# EAGLE board Mk4 Final Panel 8up 2x4 (EAGLE 9.0.1), part 19 of 23 (continued)
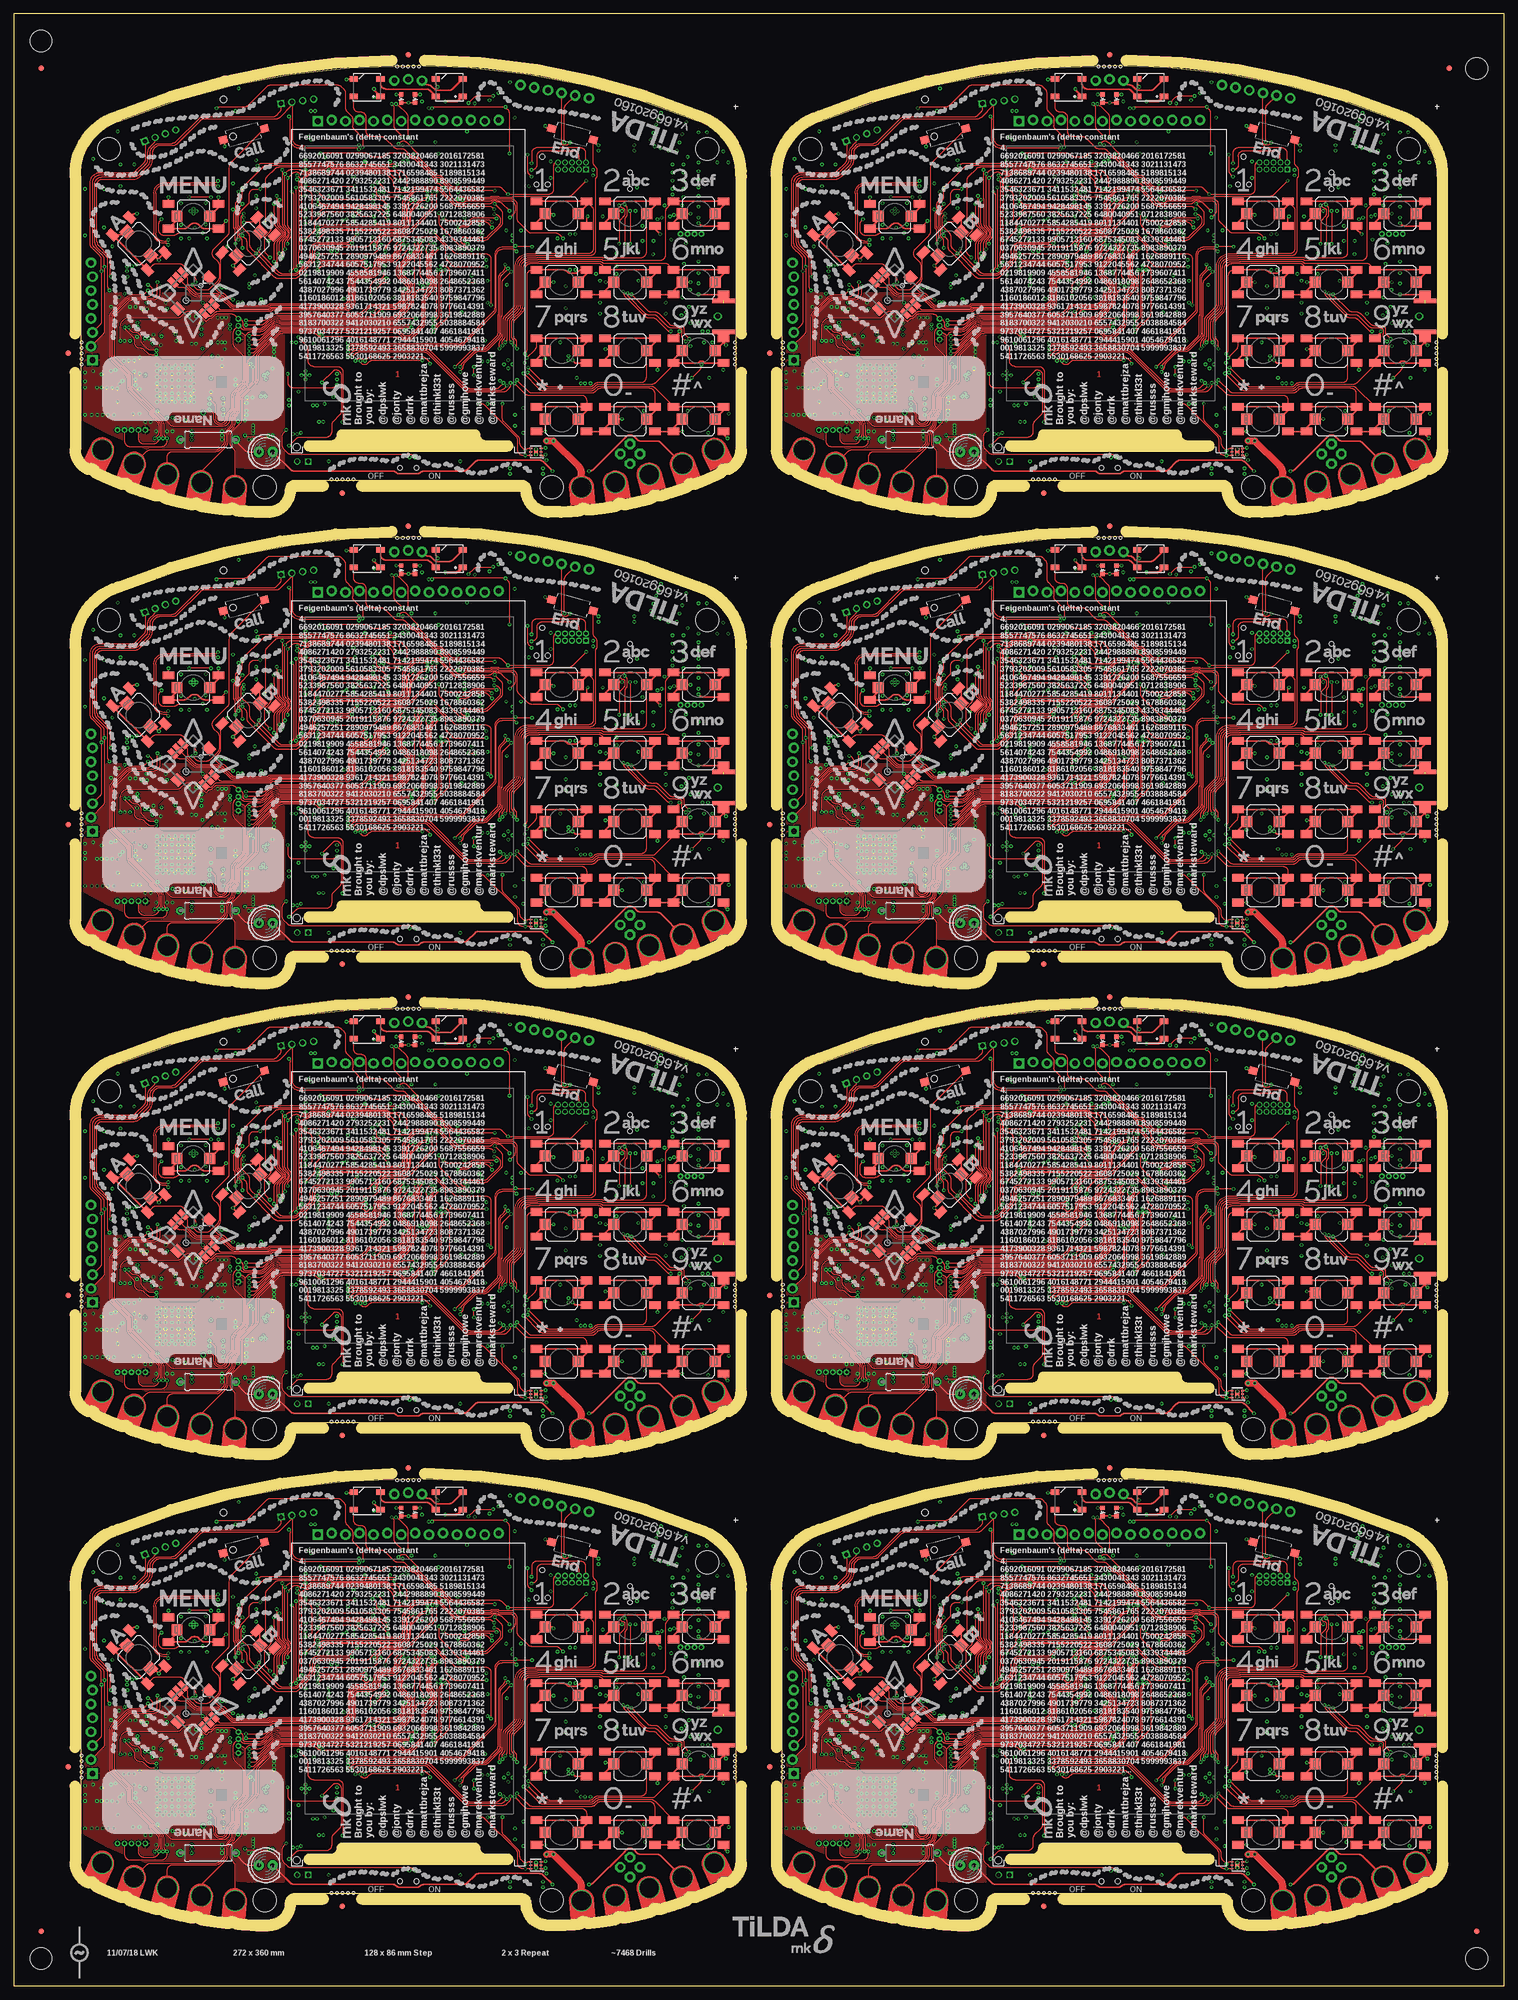
[diagram p0: board, top side]
## Tracks (layer width: path | path; a pad name or v marks a point on that pad's centre or on a via) (continued)
SPK_P4  (via drill 0.3)
  Top 0.2: v61,213.1 61.23,213.32 81.36,213.32 arc45 82.06,213.62 87.81,219.36 arc45 88.1,220.07 88.1,229.93 arc-90 89.17,230.99 91.16,230.99 arc-45 91.51,230.84 v91.75,230.61 | v37.3,243.45 arc-45 36.64,243.18 27.5,243.18 arc90 25.58,241.25 25.58,233.95 arc90 27.45,232.07 27.72,232.07 arc-45 28.07,231.93 v28.2,231.8
  Bottom 0.2: IC75.11 102.55,229.95 C493.1 | C493.1 C489.1 | C494.1 C493.1 | C491.1 C489.1 | C489.1 101.17,230.32 96.32,230.32 arc-45 96.25,230.35 96.16,230.45 arc45 96.09,230.47 93.78,230.47 R360.1 93.11,229.86 arc-90 92.4,229.86 91.75,230.51 v91.75,230.61 | v61,213.1 60.77,213.32 60.14,213.32 arc-45 59.44,213.62 57.02,216.03 arc45 56.8,216.12 56.54,216.12 arc-45 55.84,216.42 52.52,219.73 arc45 51.81,220.03 45.24,220.03 arc-45 44.53,220.32 41.52,223.34 arc-45 41.23,224.04 41.23,224.7 arc90 39.9,226.03 37.14,226.03 arc-45 36.44,226.32 34.22,228.53 arc45 33.51,228.82 30.4,228.82 arc-90 29.33,229.9 29.33,231.6 arc90 28.85,232.07 28.68,232.07 arc45 28.33,231.93 v28.2,231.8 | C508.2 v37.3,243.45
SPK_P5  (via drill 0.3)
  Top 0.2: v189,213.1 189.22,213.32 209.36,213.32 arc45 210.06,213.62 215.81,219.36 arc45 216.1,220.07 216.1,229.93 arc-90 217.17,230.99 219.16,230.99 arc-45 219.51,230.84 v219.75,230.61 | v165.3,243.45 arc-45 164.64,243.18 155.5,243.18 arc90 153.57,241.25 153.57,233.95 arc90 155.45,232.07 155.72,232.07 arc-45 156.07,231.93 v156.2,231.8
  Bottom 0.2: IC93.11 230.55,229.95 C601.1 | C601.1 C597.1 | C602.1 C601.1 | C599.1 C597.1 | C597.1 229.18,230.32 224.32,230.32 arc-45 224.25,230.35 224.16,230.45 arc45 224.09,230.47 221.78,230.47 R438.1 221.11,229.86 arc-90 220.4,229.86 219.75,230.51 v219.75,230.61 | v189,213.1 188.78,213.32 188.14,213.32 arc-45 187.44,213.62 185.02,216.03 arc45 184.8,216.12 184.54,216.12 arc-45 183.83,216.42 180.52,219.73 arc45 179.81,220.03 173.24,220.03 arc-45 172.53,220.32 169.52,223.34 arc-45 169.22,224.04 169.22,224.7 arc90 167.9,226.03 165.14,226.03 arc-45 164.44,226.32 162.22,228.53 arc45 161.51,228.82 158.4,228.82 arc-90 157.32,229.9 157.32,231.6 arc90 156.85,232.07 156.68,232.07 arc45 156.33,231.93 v156.2,231.8 | C616.2 v165.3,243.45
SPK_P6  (via drill 0.3)
  Top 0.2: v61,299.1 61.23,299.32 81.36,299.32 arc45 82.06,299.62 87.81,305.36 arc45 88.1,306.07 88.1,315.93 arc-90 89.17,316.99 91.16,316.99 arc-45 91.51,316.85 v91.75,316.61 | v37.3,329.45 arc-45 36.64,329.18 27.5,329.18 arc90 25.58,327.25 25.58,319.95 arc90 27.45,318.07 27.72,318.07 arc-45 28.07,317.93 v28.2,317.8
  Bottom 0.2: IC111.11 102.55,315.95 C709.1 | C709.1 C705.1 | C710.1 C709.1 | C707.1 C705.1 | C705.1 101.17,316.32 96.32,316.32 arc-45 96.25,316.35 96.16,316.45 arc45 96.09,316.48 93.78,316.48 R516.1 93.11,315.86 arc-90 92.4,315.86 91.75,316.51 v91.75,316.61 | v61,299.1 60.77,299.32 60.14,299.32 arc-45 59.44,299.62 57.02,302.04 arc45 56.8,302.12 56.54,302.12 arc-45 55.84,302.42 52.52,305.73 arc45 51.81,306.02 45.24,306.02 arc-45 44.53,306.32 41.52,309.33 arc-45 41.23,310.04 41.23,310.7 arc90 39.9,312.02 37.14,312.02 arc-45 36.44,312.32 34.22,314.53 arc45 33.51,314.82 30.4,314.82 arc-90 29.33,315.9 29.33,317.6 arc90 28.85,318.07 28.68,318.07 arc45 28.33,317.93 v28.2,317.8 | C724.2 v37.3,329.45
SPK_P7  (via drill 0.3)
  Top 0.2: v189,299.1 189.22,299.32 209.36,299.32 arc45 210.06,299.62 215.81,305.36 arc45 216.1,306.07 216.1,315.93 arc-90 217.17,316.99 219.16,316.99 arc-45 219.51,316.85 v219.75,316.61 | v165.3,329.45 arc-45 164.64,329.18 155.5,329.18 arc90 153.57,327.25 153.57,319.95 arc90 155.45,318.07 155.72,318.07 arc-45 156.07,317.93 v156.2,317.8
  Bottom 0.2: IC129.11 230.55,315.95 C817.1 | C817.1 C813.1 | C818.1 C817.1 | C815.1 C813.1 | C813.1 229.18,316.32 224.32,316.32 arc-45 224.25,316.35 224.16,316.45 arc45 224.09,316.48 221.78,316.48 R594.1 221.11,315.86 arc-90 220.4,315.86 219.75,316.51 v219.75,316.61 | v189,299.1 188.78,299.32 188.14,299.32 arc-45 187.44,299.62 185.02,302.04 arc45 184.8,302.12 184.54,302.12 arc-45 183.83,302.42 180.52,305.73 arc45 179.81,306.02 173.24,306.02 arc-45 172.53,306.32 169.52,309.33 arc-45 169.22,310.04 169.22,310.7 arc90 167.9,312.02 165.14,312.02 arc-45 164.44,312.32 162.22,314.53 arc45 161.51,314.82 158.4,314.82 arc-90 157.32,315.9 157.32,317.6 arc90 156.85,318.07 156.68,318.07 arc45 156.33,317.93 v156.2,317.8 | C832.2 v165.3,329.45
SPK_R_N
  Bottom 0.15: R45.2 R46.1 arc45 93.97,62.04 IC11.5
SPK_R_N1
  Bottom 0.15: R126.2 R127.1 arc45 221.97,62.04 IC26.5
SPK_R_N2
  Bottom 0.15: R204.2 R205.1 arc45 93.97,148.04 IC44.5
SPK_R_N3
  Bottom 0.15: R282.2 R283.1 arc45 221.97,148.04 IC62.5
SPK_R_N4
  Bottom 0.15: R360.2 R361.1 arc45 93.97,234.04 IC80.5
SPK_R_N5
  Bottom 0.15: R438.2 R439.1 arc45 221.97,234.04 IC98.5
SPK_R_N6
  Bottom 0.15: R516.2 R517.1 arc45 93.97,320.04 IC116.5
SPK_R_N7
  Bottom 0.15: R594.2 R595.1 arc45 221.97,320.04 IC134.5
SPK_R_P
  Bottom 0.15: R43.2 R51.1 R50.1 93.03,61.78 arc45 93.33,62.49 IC11.6
SPK_R_P1
  Bottom 0.15: R125.2 R129.1 R128.1 221.03,61.78 arc45 221.32,62.49 IC26.6
SPK_R_P2
  Bottom 0.15: R203.2 R207.1 R206.1 93.03,147.78 arc45 93.33,148.49 IC44.6
SPK_R_P3
  Bottom 0.15: R281.2 R285.1 R284.1 221.03,147.78 arc45 221.32,148.49 IC62.6
SPK_R_P4
  Bottom 0.15: R359.2 R363.1 R362.1 93.03,233.78 arc45 93.33,234.49 IC80.6
SPK_R_P5
  Bottom 0.15: R437.2 R441.1 R440.1 221.03,233.78 arc45 221.32,234.49 IC98.6
SPK_R_P6
  Bottom 0.15: R515.2 R519.1 R518.1 93.03,319.78 arc45 93.33,320.49 IC116.6
SPK_R_P7
  Bottom 0.15: R593.2 R597.1 R596.1 221.03,319.78 arc45 221.32,320.49 IC134.6
SSI0_LCD_CLK
  Bottom 0.15: J2.37 66.25,50.09 arc-45 66.54,50.79 66.91,51.16 arc45 67.2,51.86 67.2,53.03 arc45 67.15,53.15 66.11,54.19 arc45 64.88,54.7 64.2,54.7 arc-90 63.2,55.7 63.2,59.1 arc-90 63.7,59.6 IC1.35
SSI0_LCD_CLK1
  Bottom 0.15: J6.37 194.25,50.09 arc-45 194.54,50.79 194.91,51.16 arc45 195.2,51.86 195.2,53.03 arc45 195.15,53.15 194.11,54.19 arc45 192.88,54.7 192.2,54.7 arc-90 191.2,55.7 191.2,59.1 arc-90 191.7,59.6 IC20.35
SSI0_LCD_CLK2
  Bottom 0.15: J21.37 66.25,136.09 arc-45 66.54,136.79 66.91,137.16 arc45 67.2,137.86 67.2,139.03 arc45 67.15,139.15 66.11,140.19 arc45 64.88,140.7 64.2,140.7 arc-90 63.2,141.7 63.2,145.1 arc-90 63.7,145.6 IC38.35
SSI0_LCD_CLK3
  Bottom 0.15: J31.37 194.25,136.09 arc-45 194.54,136.79 194.91,137.16 arc45 195.2,137.86 195.2,139.03 arc45 195.15,139.15 194.11,140.19 arc45 192.88,140.7 192.2,140.7 arc-90 191.2,141.7 191.2,145.1 arc-90 191.7,145.6 IC56.35
SSI0_LCD_CLK4
  Bottom 0.15: J41.37 66.25,222.09 arc-45 66.54,222.79 66.91,223.16 arc45 67.2,223.86 67.2,225.03 arc45 67.15,225.15 66.11,226.19 arc45 64.88,226.7 64.2,226.7 arc-90 63.2,227.7 63.2,231.1 arc-90 63.7,231.6 IC74.35
SSI0_LCD_CLK5
  Bottom 0.15: J51.37 194.25,222.09 arc-45 194.54,222.79 194.91,223.16 arc45 195.2,223.86 195.2,225.03 arc45 195.15,225.15 194.11,226.19 arc45 192.88,226.7 192.2,226.7 arc-90 191.2,227.7 191.2,231.1 arc-90 191.7,231.6 IC92.35
SSI0_LCD_CLK6
  Bottom 0.15: J61.37 66.25,308.09 arc-45 66.54,308.79 66.91,309.16 arc45 67.2,309.86 67.2,311.03 arc45 67.15,311.15 66.11,312.19 arc45 64.88,312.7 64.2,312.7 arc-90 63.2,313.7 63.2,317.1 arc-90 63.7,317.6 IC110.35
SSI0_LCD_CLK7
  Bottom 0.15: J71.37 194.25,308.09 arc-45 194.54,308.79 194.91,309.16 arc45 195.2,309.86 195.2,311.03 arc45 195.15,311.15 194.11,312.19 arc45 192.88,312.7 192.2,312.7 arc-90 191.2,313.7 191.2,317.1 arc-90 191.7,317.6 IC128.35
SSI0_LCD_CS
  Bottom 0.15: J2.38 65.75,50.09 arc-45 66.04,50.79 66.58,51.33 arc45 66.88,52.04 66.88,52.92 arc45 66.82,53.06 65.92,53.96 arc45 64.85,54.4 64.15,54.4 arc-90 62.9,55.65 62.9,59.25 arc-90 63.65,60 IC1.36
SSI0_LCD_CS1
  Bottom 0.15: J6.38 193.75,50.09 arc-45 194.04,50.79 194.58,51.33 arc45 194.88,52.04 194.88,52.92 arc45 194.82,53.06 193.92,53.96 arc45 192.85,54.4 192.15,54.4 arc-90 190.9,55.65 190.9,59.25 arc-90 191.65,60 IC20.36
SSI0_LCD_CS2
  Bottom 0.15: J21.38 65.75,136.09 arc-45 66.04,136.79 66.58,137.33 arc45 66.88,138.04 66.88,138.92 arc45 66.82,139.06 65.92,139.96 arc45 64.85,140.4 64.15,140.4 arc-90 62.9,141.65 62.9,145.25 arc-90 63.65,146 IC38.36
SSI0_LCD_CS3
  Bottom 0.15: J31.38 193.75,136.09 arc-45 194.04,136.79 194.58,137.33 arc45 194.88,138.04 194.88,138.92 arc45 194.82,139.06 193.92,139.96 arc45 192.85,140.4 192.15,140.4 arc-90 190.9,141.65 190.9,145.25 arc-90 191.65,146 IC56.36
SSI0_LCD_CS4
  Bottom 0.15: J41.38 65.75,222.09 arc-45 66.04,222.79 66.58,223.33 arc45 66.88,224.04 66.88,224.92 arc45 66.82,225.06 65.92,225.96 arc45 64.85,226.4 64.15,226.4 arc-90 62.9,227.65 62.9,231.25 arc-90 63.65,232 IC74.36
SSI0_LCD_CS5
  Bottom 0.15: J51.38 193.75,222.09 arc-45 194.04,222.79 194.58,223.33 arc45 194.88,224.04 194.88,224.92 arc45 194.82,225.06 193.92,225.96 arc45 192.85,226.4 192.15,226.4 arc-90 190.9,227.65 190.9,231.25 arc-90 191.65,232 IC92.36
SSI0_LCD_CS6
  Bottom 0.15: J61.38 65.75,308.09 arc-45 66.04,308.79 66.58,309.33 arc45 66.88,310.04 66.88,310.92 arc45 66.82,311.06 65.92,311.96 arc45 64.85,312.4 64.15,312.4 arc-90 62.9,313.65 62.9,317.25 arc-90 63.65,318 IC110.36
SSI0_LCD_CS7
  Bottom 0.15: J71.38 193.75,308.09 arc-45 194.04,308.79 194.58,309.33 arc45 194.88,310.04 194.88,310.92 arc45 194.82,311.06 193.92,311.96 arc45 192.85,312.4 192.15,312.4 arc-90 190.9,313.65 190.9,317.25 arc-90 191.65,318 IC128.36
SSI0_LCD_MISO  (via drill 0.3)
  Top 0.15: v65.8,51.8 65.89,51.8 arc45 66.59,52.09 67.21,52.71 arc-45 67.91,53 v68.45,53
  Bottom 0.15: IC1.38 63.55,60.8 arc90 62.3,59.55 62.3,55.55 arc90 64.05,53.8 64.79,53.8 arc-45 65.49,53.51 65.51,53.49 arc-45 65.8,52.79 v65.8,51.8 | J2.33 68.25,52.52 arc-45 v68.45,53
SSI0_LCD_MISO1  (via drill 0.3)
  Top 0.15: v193.8,51.8 193.89,51.8 arc45 194.59,52.09 195.21,52.71 arc-45 195.91,53 v196.45,53
  Bottom 0.15: IC20.38 191.55,60.8 arc90 190.3,59.55 190.3,55.55 arc90 192.05,53.8 192.79,53.8 arc-45 193.49,53.51 193.51,53.49 arc-45 193.8,52.79 v193.8,51.8 | J6.33 196.25,52.52 arc-45 v196.45,53
SSI0_LCD_MISO2  (via drill 0.3)
  Top 0.15: v65.8,137.8 65.89,137.8 arc45 66.59,138.09 67.21,138.71 arc-45 67.91,139 v68.45,139
  Bottom 0.15: IC38.38 63.55,146.8 arc90 62.3,145.55 62.3,141.55 arc90 64.05,139.8 64.79,139.8 arc-45 65.49,139.51 65.51,139.49 arc-45 65.8,138.79 v65.8,137.8 | J21.33 68.25,138.52 arc-45 v68.45,139
SSI0_LCD_MISO3  (via drill 0.3)
  Top 0.15: v193.8,137.8 193.89,137.8 arc45 194.59,138.09 195.21,138.71 arc-45 195.91,139 v196.45,139
  Bottom 0.15: IC56.38 191.55,146.8 arc90 190.3,145.55 190.3,141.55 arc90 192.05,139.8 192.79,139.8 arc-45 193.49,139.51 193.51,139.49 arc-45 193.8,138.79 v193.8,137.8 | J31.33 196.25,138.52 arc-45 v196.45,139
SSI0_LCD_MISO4  (via drill 0.3)
  Top 0.15: v65.8,223.8 65.89,223.8 arc45 66.59,224.09 67.21,224.71 arc-45 67.91,225 v68.45,225
  Bottom 0.15: IC74.38 63.55,232.8 arc90 62.3,231.55 62.3,227.55 arc90 64.05,225.8 64.79,225.8 arc-45 65.49,225.51 65.51,225.49 arc-45 65.8,224.79 v65.8,223.8 | J41.33 68.25,224.52 arc-45 v68.45,225
SSI0_LCD_MISO5  (via drill 0.3)
  Top 0.15: v193.8,223.8 193.89,223.8 arc45 194.59,224.09 195.21,224.71 arc-45 195.91,225 v196.45,225
  Bottom 0.15: IC92.38 191.55,232.8 arc90 190.3,231.55 190.3,227.55 arc90 192.05,225.8 192.79,225.8 arc-45 193.49,225.51 193.51,225.49 arc-45 193.8,224.79 v193.8,223.8 | J51.33 196.25,224.52 arc-45 v196.45,225
SSI0_LCD_MISO6  (via drill 0.3)
  Top 0.15: v65.8,309.8 65.89,309.8 arc45 66.59,310.09 67.21,310.71 arc-45 67.91,311 v68.45,311
  Bottom 0.15: IC110.38 63.55,318.8 arc90 62.3,317.55 62.3,313.55 arc90 64.05,311.8 64.79,311.8 arc-45 65.49,311.51 65.51,311.49 arc-45 65.8,310.79 v65.8,309.8 | J61.33 68.25,310.52 arc-45 v68.45,311
SSI0_LCD_MISO7  (via drill 0.3)
  Top 0.15: v193.8,309.8 193.89,309.8 arc45 194.59,310.09 195.21,310.71 arc-45 195.91,311 v196.45,311
  Bottom 0.15: IC128.38 191.55,318.8 arc90 190.3,317.55 190.3,313.55 arc90 192.05,311.8 192.79,311.8 arc-45 193.49,311.51 193.51,311.49 arc-45 193.8,310.79 v193.8,309.8 | J71.33 196.25,310.52 arc-45 v196.45,311
SSI0_LCD_MOSI  (via drill 0.3)
  Top 0.15: v66.35,52.7 arc45 66.95,52.95 67.45,53.45 arc-45 v68.05,53.7
  Bottom 0.15: J2.34 67.75,50.5 67.8,50.55 67.8,53.1 arc-45 v68.05,53.7 | IC1.37 63.6,60.4 arc90 62.6,59.4 62.6,55.6 arc90 64.1,54.1 64.83,54.1 arc-45 65.72,53.73 66.2,53.25 arc-45 66.35,52.89 v66.35,52.7
SSI0_LCD_MOSI1  (via drill 0.3)
  Top 0.15: v194.35,52.7 arc45 194.95,52.95 195.45,53.45 arc-45 v196.05,53.7
  Bottom 0.15: J6.34 195.75,50.5 195.8,50.55 195.8,53.1 arc-45 v196.05,53.7 | IC20.37 191.6,60.4 arc90 190.6,59.4 190.6,55.6 arc90 192.1,54.1 192.83,54.1 arc-45 193.72,53.73 194.2,53.25 arc-45 194.35,52.89 v194.35,52.7
SSI0_LCD_MOSI2  (via drill 0.3)
  Top 0.15: v66.35,138.7 arc45 66.95,138.95 67.45,139.45 arc-45 v68.05,139.7
  Bottom 0.15: J21.34 67.75,136.5 67.8,136.55 67.8,139.1 arc-45 v68.05,139.7 | IC38.37 63.6,146.4 arc90 62.6,145.4 62.6,141.6 arc90 64.1,140.1 64.83,140.1 arc-45 65.72,139.73 66.2,139.25 arc-45 66.35,138.89 v66.35,138.7
SSI0_LCD_MOSI3  (via drill 0.3)
  Top 0.15: v194.35,138.7 arc45 194.95,138.95 195.45,139.45 arc-45 v196.05,139.7
  Bottom 0.15: J31.34 195.75,136.5 195.8,136.55 195.8,139.1 arc-45 v196.05,139.7 | IC56.37 191.6,146.4 arc90 190.6,145.4 190.6,141.6 arc90 192.1,140.1 192.83,140.1 arc-45 193.72,139.73 194.2,139.25 arc-45 194.35,138.89 v194.35,138.7
SSI0_LCD_MOSI4  (via drill 0.3)
  Top 0.15: v66.35,224.7 arc45 66.95,224.95 67.45,225.45 arc-45 v68.05,225.7
  Bottom 0.15: J41.34 67.75,222.5 67.8,222.55 67.8,225.1 arc-45 v68.05,225.7 | IC74.37 63.6,232.4 arc90 62.6,231.4 62.6,227.6 arc90 64.1,226.1 64.83,226.1 arc-45 65.72,225.73 66.2,225.25 arc-45 66.35,224.89 v66.35,224.7
SSI0_LCD_MOSI5  (via drill 0.3)
  Top 0.15: v194.35,224.7 arc45 194.95,224.95 195.45,225.45 arc-45 v196.05,225.7
  Bottom 0.15: J51.34 195.75,222.5 195.8,222.55 195.8,225.1 arc-45 v196.05,225.7 | IC92.37 191.6,232.4 arc90 190.6,231.4 190.6,227.6 arc90 192.1,226.1 192.83,226.1 arc-45 193.72,225.73 194.2,225.25 arc-45 194.35,224.89 v194.35,224.7
SSI0_LCD_MOSI6  (via drill 0.3)
  Top 0.15: v66.35,310.7 arc45 66.95,310.95 67.45,311.45 arc-45 v68.05,311.7
  Bottom 0.15: J61.34 67.75,308.5 67.8,308.55 67.8,311.1 arc-45 v68.05,311.7 | IC110.37 63.6,318.4 arc90 62.6,317.4 62.6,313.6 arc90 64.1,312.1 64.83,312.1 arc-45 65.72,311.73 66.2,311.25 arc-45 66.35,310.89 v66.35,310.7
SSI0_LCD_MOSI7  (via drill 0.3)
  Top 0.15: v194.35,310.7 arc45 194.95,310.95 195.45,311.45 arc-45 v196.05,311.7
  Bottom 0.15: J71.34 195.75,308.5 195.8,308.55 195.8,311.1 arc-45 v196.05,311.7 | IC128.37 191.6,318.4 arc90 190.6,317.4 190.6,313.6 arc90 192.1,312.1 192.83,312.1 arc-45 193.72,311.73 194.2,311.25 arc-45 194.35,310.89 v194.35,310.7
SSI2_CC_!CS  (via drill 0.3)
  Top 0.15: v43,40 43.7,40 47.86,44.16 arc-45 48.92,44.6 70.69,44.6 arc-45 71.39,44.31 v71.5,44.2 | v78,55.2 78,55.06 arc-45 77.89,54.8 arc45 77.6,54.1 77.6,47.01 arc-45 77.31,46.31 v76.6,45.6
  Bottom 0.15: IC15.8 29.75,27.95 arc90 30.75,26.95 38.5,26.95 arc90 40,28.45 40,30.39 arc-45 40.29,31.09 41.71,32.51 arc45 42.3,33.93 42.3,38.94 arc-45 42.59,39.64 42.95,40 v43,40 | IC1.3 77.4,56.21 arc45 77.69,55.51 v78,55.2 | v76.6,45.6 73.75,45.6 arc-45 73.25,45.81 arc45 72.54,46.1 72.5,46.1 arc90 71.5,45.1 v71.5,44.2
SSI2_CC_!CS1  (via drill 0.3)
  Top 0.15: v171,40 171.7,40 175.86,44.16 arc-45 176.92,44.6 198.69,44.6 arc-45 199.39,44.31 v199.5,44.2 | v206,55.2 206,55.06 arc-45 205.89,54.8 arc45 205.6,54.1 205.6,47.01 arc-45 205.31,46.31 v204.6,45.6
  Bottom 0.15: IC29.8 157.75,27.95 arc90 158.75,26.95 166.5,26.95 arc90 168,28.45 168,30.39 arc-45 168.29,31.09 169.71,32.51 arc45 170.3,33.93 170.3,38.94 arc-45 170.59,39.64 170.95,40 v171,40 | IC20.3 205.4,56.21 arc45 205.69,55.51 v206,55.2 | v204.6,45.6 201.75,45.6 arc-45 201.25,45.81 arc45 200.54,46.1 200.5,46.1 arc90 199.5,45.1 v199.5,44.2
SSI2_CC_!CS2  (via drill 0.3)
  Top 0.15: v43,126 43.7,126 47.86,130.16 arc-45 48.92,130.6 70.69,130.6 arc-45 71.39,130.31 v71.5,130.2 | v78,141.2 78,141.06 arc-45 77.89,140.8 arc45 77.6,140.1 77.6,133.01 arc-45 77.31,132.31 v76.6,131.6
  Bottom 0.15: IC47.8 29.75,113.95 arc90 30.75,112.95 38.5,112.95 arc90 40,114.45 40,116.39 arc-45 40.29,117.09 41.71,118.51 arc45 42.3,119.93 42.3,124.94 arc-45 42.59,125.64 42.95,126 v43,126 | IC38.3 77.4,142.21 arc45 77.69,141.51 v78,141.2 | v76.6,131.6 73.75,131.6 arc-45 73.25,131.81 arc45 72.54,132.1 72.5,132.1 arc90 71.5,131.1 v71.5,130.2
SSI2_CC_!CS3  (via drill 0.3)
  Top 0.15: v171,126 171.7,126 175.86,130.16 arc-45 176.92,130.6 198.69,130.6 arc-45 199.39,130.31 v199.5,130.2 | v206,141.2 206,141.06 arc-45 205.89,140.8 arc45 205.6,140.1 205.6,133.01 arc-45 205.31,132.31 v204.6,131.6
  Bottom 0.15: IC65.8 157.75,113.95 arc90 158.75,112.95 166.5,112.95 arc90 168,114.45 168,116.39 arc-45 168.29,117.09 169.71,118.51 arc45 170.3,119.93 170.3,124.94 arc-45 170.59,125.64 170.95,126 v171,126 | IC56.3 205.4,142.21 arc45 205.69,141.51 v206,141.2 | v204.6,131.6 201.75,131.6 arc-45 201.25,131.81 arc45 200.54,132.1 200.5,132.1 arc90 199.5,131.1 v199.5,130.2
SSI2_CC_!CS4  (via drill 0.3)
  Top 0.15: v43,212 43.7,212 47.86,216.16 arc-45 48.92,216.6 70.69,216.6 arc-45 71.39,216.31 v71.5,216.2 | v78,227.2 78,227.06 arc-45 77.89,226.8 arc45 77.6,226.1 77.6,219.01 arc-45 77.31,218.31 v76.6,217.6
  Bottom 0.15: IC83.8 29.75,199.95 arc90 30.75,198.95 38.5,198.95 arc90 40,200.45 40,202.39 arc-45 40.29,203.09 41.71,204.51 arc45 42.3,205.93 42.3,210.94 arc-45 42.59,211.64 42.95,212 v43,212 | IC74.3 77.4,228.21 arc45 77.69,227.51 v78,227.2 | v76.6,217.6 73.75,217.6 arc-45 73.25,217.81 arc45 72.54,218.1 72.5,218.1 arc90 71.5,217.1 v71.5,216.2
SSI2_CC_!CS5  (via drill 0.3)
  Top 0.15: v171,212 171.7,212 175.86,216.16 arc-45 176.92,216.6 198.69,216.6 arc-45 199.39,216.31 v199.5,216.2 | v206,227.2 206,227.06 arc-45 205.89,226.8 arc45 205.6,226.1 205.6,219.01 arc-45 205.31,218.31 v204.6,217.6
  Bottom 0.15: IC101.8 157.75,199.95 arc90 158.75,198.95 166.5,198.95 arc90 168,200.45 168,202.39 arc-45 168.29,203.09 169.71,204.51 arc45 170.3,205.93 170.3,210.94 arc-45 170.59,211.64 170.95,212 v171,212 | IC92.3 205.4,228.21 arc45 205.69,227.51 v206,227.2 | v204.6,217.6 201.75,217.6 arc-45 201.25,217.81 arc45 200.54,218.1 200.5,218.1 arc90 199.5,217.1 v199.5,216.2
SSI2_CC_!CS6  (via drill 0.3)
  Top 0.15: v43,298 43.7,298 47.86,302.16 arc-45 48.92,302.6 70.69,302.6 arc-45 71.39,302.31 v71.5,302.2 | v78,313.2 78,313.06 arc-45 77.89,312.8 arc45 77.6,312.1 77.6,305.01 arc-45 77.31,304.31 v76.6,303.6
  Bottom 0.15: IC119.8 29.75,285.95 arc90 30.75,284.95 38.5,284.95 arc90 40,286.45 40,288.39 arc-45 40.29,289.09 41.71,290.51 arc45 42.3,291.93 42.3,296.94 arc-45 42.59,297.64 42.95,298 v43,298 | IC110.3 77.4,314.21 arc45 77.69,313.51 v78,313.2 | v76.6,303.6 73.75,303.6 arc-45 73.25,303.81 arc45 72.54,304.1 72.5,304.1 arc90 71.5,303.1 v71.5,302.2
SSI2_CC_!CS7  (via drill 0.3)
  Top 0.15: v171,298 171.7,298 175.86,302.16 arc-45 176.92,302.6 198.69,302.6 arc-45 199.39,302.31 v199.5,302.2 | v206,313.2 206,313.06 arc-45 205.89,312.8 arc45 205.6,312.1 205.6,305.01 arc-45 205.31,304.31 v204.6,303.6
  Bottom 0.15: IC137.8 157.75,285.95 arc90 158.75,284.95 166.5,284.95 arc90 168,286.45 168,288.39 arc-45 168.29,289.09 169.71,290.51 arc45 170.3,291.93 170.3,296.94 arc-45 170.59,297.64 170.95,298 v171,298 | IC128.3 205.4,314.21 arc45 205.69,313.51 v206,313.2 | v204.6,303.6 201.75,303.6 arc-45 201.25,303.81 arc45 200.54,304.1 200.5,304.1 arc90 199.5,303.1 v199.5,302.2
SSI2_CC_CLK  (via drill 0.3)
  Top 0.15: v43,42.4 44.83,42.4 47.27,44.84 arc-45 48.86,45.5 69.07,45.5 arc45 70.49,46.09 70.51,46.11 arc-45 71.22,46.4 v73.4,46.4 | v77.2,55.2 77.2,53.49 77.22,53.47 77.22,47.44 arc-45 76.93,46.73 v76.6,46.4
  Bottom 0.15: IC15.5 31.25,29.91 arc45 31.54,29.21 32.51,28.24 arc45 33.21,27.95 36.88,27.95 36.9,27.93 38.35,27.93 arc90 39.1,28.68 39.1,30.48 arc-45 39.61,31.71 41.03,33.13 arc45 41.4,34.02 41.4,40.39 arc-45 41.69,41.09 v43,42.4 | IC1.4 77,55.68 arc45 v77.2,55.2 | v73.4,46.4 v76.6,46.4
SSI2_CC_CLK1  (via drill 0.3)
  Top 0.15: v171,42.4 172.83,42.4 175.27,44.84 arc-45 176.86,45.5 197.07,45.5 arc45 198.49,46.09 198.51,46.11 arc-45 199.22,46.4 v201.4,46.4 | v205.2,55.2 205.2,53.49 205.22,53.47 205.22,47.44 arc-45 204.93,46.73 v204.6,46.4
  Bottom 0.15: IC29.5 159.25,29.91 arc45 159.54,29.21 160.51,28.24 arc45 161.21,27.95 164.88,27.95 164.9,27.93 166.35,27.93 arc90 167.1,28.68 167.1,30.48 arc-45 167.61,31.71 169.03,33.13 arc45 169.4,34.02 169.4,40.39 arc-45 169.69,41.09 v171,42.4 | IC20.4 205,55.68 arc45 v205.2,55.2 | v201.4,46.4 v204.6,46.4
SSI2_CC_CLK2  (via drill 0.3)
  Top 0.15: v43,128.4 44.83,128.4 47.27,130.84 arc-45 48.86,131.5 69.07,131.5 arc45 70.49,132.09 70.51,132.11 arc-45 71.22,132.4 v73.4,132.4 | v77.2,141.2 77.2,139.49 77.22,139.47 77.22,133.44 arc-45 76.93,132.73 v76.6,132.4
  Bottom 0.15: IC47.5 31.25,115.91 arc45 31.54,115.21 32.51,114.24 arc45 33.21,113.95 36.88,113.95 36.9,113.92 38.35,113.92 arc90 39.1,114.67 39.1,116.47 arc-45 39.61,117.71 41.03,119.13 arc45 41.4,120.02 41.4,126.39 arc-45 41.69,127.09 v43,128.4 | IC38.4 77,141.68 arc45 v77.2,141.2 | v73.4,132.4 v76.6,132.4
SSI2_CC_CLK3  (via drill 0.3)
  Top 0.15: v171,128.4 172.83,128.4 175.27,130.84 arc-45 176.86,131.5 197.07,131.5 arc45 198.49,132.09 198.51,132.11 arc-45 199.22,132.4 v201.4,132.4 | v205.2,141.2 205.2,139.49 205.22,139.47 205.22,133.44 arc-45 204.93,132.73 v204.6,132.4
  Bottom 0.15: IC65.5 159.25,115.91 arc45 159.54,115.21 160.51,114.24 arc45 161.21,113.95 164.88,113.95 164.9,113.92 166.35,113.92 arc90 167.1,114.67 167.1,116.47 arc-45 167.61,117.71 169.03,119.13 arc45 169.4,120.02 169.4,126.39 arc-45 169.69,127.09 v171,128.4 | IC56.4 205,141.68 arc45 v205.2,141.2 | v201.4,132.4 v204.6,132.4
SSI2_CC_CLK4  (via drill 0.3)
  Top 0.15: v43,214.4 44.83,214.4 47.27,216.84 arc-45 48.86,217.5 69.07,217.5 arc45 70.49,218.09 70.51,218.11 arc-45 71.22,218.4 v73.4,218.4 | v77.2,227.2 77.2,225.49 77.22,225.47 77.22,219.44 arc-45 76.93,218.73 v76.6,218.4
  Bottom 0.15: IC83.5 31.25,201.91 arc45 31.54,201.21 32.51,200.24 arc45 33.21,199.95 36.88,199.95 36.9,199.93 38.35,199.93 arc90 39.1,200.68 39.1,202.47 arc-45 39.61,203.71 41.03,205.13 arc45 41.4,206.02 41.4,212.39 arc-45 41.69,213.09 v43,214.4 | IC74.4 77,227.68 arc45 v77.2,227.2 | v73.4,218.4 v76.6,218.4
SSI2_CC_CLK5  (via drill 0.3)
  Top 0.15: v171,214.4 172.83,214.4 175.27,216.84 arc-45 176.86,217.5 197.07,217.5 arc45 198.49,218.09 198.51,218.11 arc-45 199.22,218.4 v201.4,218.4 | v205.2,227.2 205.2,225.49 205.22,225.47 205.22,219.44 arc-45 204.93,218.73 v204.6,218.4
  Bottom 0.15: IC101.5 159.25,201.91 arc45 159.54,201.21 160.51,200.24 arc45 161.21,199.95 164.88,199.95 164.9,199.93 166.35,199.93 arc90 167.1,200.68 167.1,202.47 arc-45 167.61,203.71 169.03,205.13 arc45 169.4,206.02 169.4,212.39 arc-45 169.69,213.09 v171,214.4 | IC92.4 205,227.68 arc45 v205.2,227.2 | v201.4,218.4 v204.6,218.4
SSI2_CC_CLK6  (via drill 0.3)
  Top 0.15: v43,300.4 44.83,300.4 47.27,302.84 arc-45 48.86,303.5 69.07,303.5 arc45 70.49,304.09 70.51,304.11 arc-45 71.22,304.4 v73.4,304.4 | v77.2,313.2 77.2,311.49 77.22,311.46 77.22,305.44 arc-45 76.93,304.73 v76.6,304.4
  Bottom 0.15: IC119.5 31.25,287.91 arc45 31.54,287.21 32.51,286.24 arc45 33.21,285.95 36.88,285.95 36.9,285.93 38.35,285.93 arc90 39.1,286.68 39.1,288.48 arc-45 39.61,289.71 41.03,291.13 arc45 41.4,292.02 41.4,298.39 arc-45 41.69,299.09 v43,300.4 | IC110.4 77,313.68 arc45 v77.2,313.2 | v73.4,304.4 v76.6,304.4
SSI2_CC_CLK7  (via drill 0.3)
  Top 0.15: v171,300.4 172.83,300.4 175.27,302.84 arc-45 176.86,303.5 197.07,303.5 arc45 198.49,304.09 198.51,304.11 arc-45 199.22,304.4 v201.4,304.4 | v205.2,313.2 205.2,311.49 205.22,311.46 205.22,305.44 arc-45 204.93,304.73 v204.6,304.4
  Bottom 0.15: IC137.5 159.25,287.91 arc45 159.54,287.21 160.51,286.24 arc45 161.21,285.95 164.88,285.95 164.9,285.93 166.35,285.93 arc90 167.1,286.68 167.1,288.48 arc-45 167.61,289.71 169.03,291.13 arc45 169.4,292.02 169.4,298.39 arc-45 169.69,299.09 v171,300.4 | IC128.4 205,313.68 arc45 v205.2,313.2 | v201.4,304.4 v204.6,304.4
SSI2_CC_MISO  (via drill 0.3)
  Top 0.15: v43,40.8 44.08,40.8 47.67,44.39 arc-45 48.9,44.9 72.24,44.9 arc-45 v72.6,44.75 | v78.75,55.24 78.53,55.01 arc-45 78.5,54.96 78.19,54.65 arc45 77.9,53.94 77.9,46.21 arc-45 77.61,45.51 76.9,44.8 v76.6,44.8
  Bottom 0.15: IC15.7 30.25,29 R71.1 30.59,28.75 arc-45 31.29,28.46 32.06,27.69 arc45 33.12,27.25 38.45,27.25 arc90 39.7,28.5 39.7,30.43 arc-45 40.07,31.32 41.49,32.74 arc45 42,33.98 42,39.39 arc-45 42.29,40.09 v43,40.8 | IC1.1 78.2,56.6 78.31,56.49 arc-45 78.6,55.79 78.6,55.6 arc45 v78.75,55.24 | v76.6,44.8 76.55,44.75 v72.6,44.75
SSI2_CC_MISO1  (via drill 0.3)